# Altium PCB PCB1.PcbDoc (part 1 of 4)
Units mil, origin at the board's own origin, x right, y up, seen from the top; angles counter-clockwise.
Board outline 1130 x 1815 mil, 2 copper layers (Top Layer, Bottom Layer); 375 components, 18 nets, 1650 pads, 0 vias.
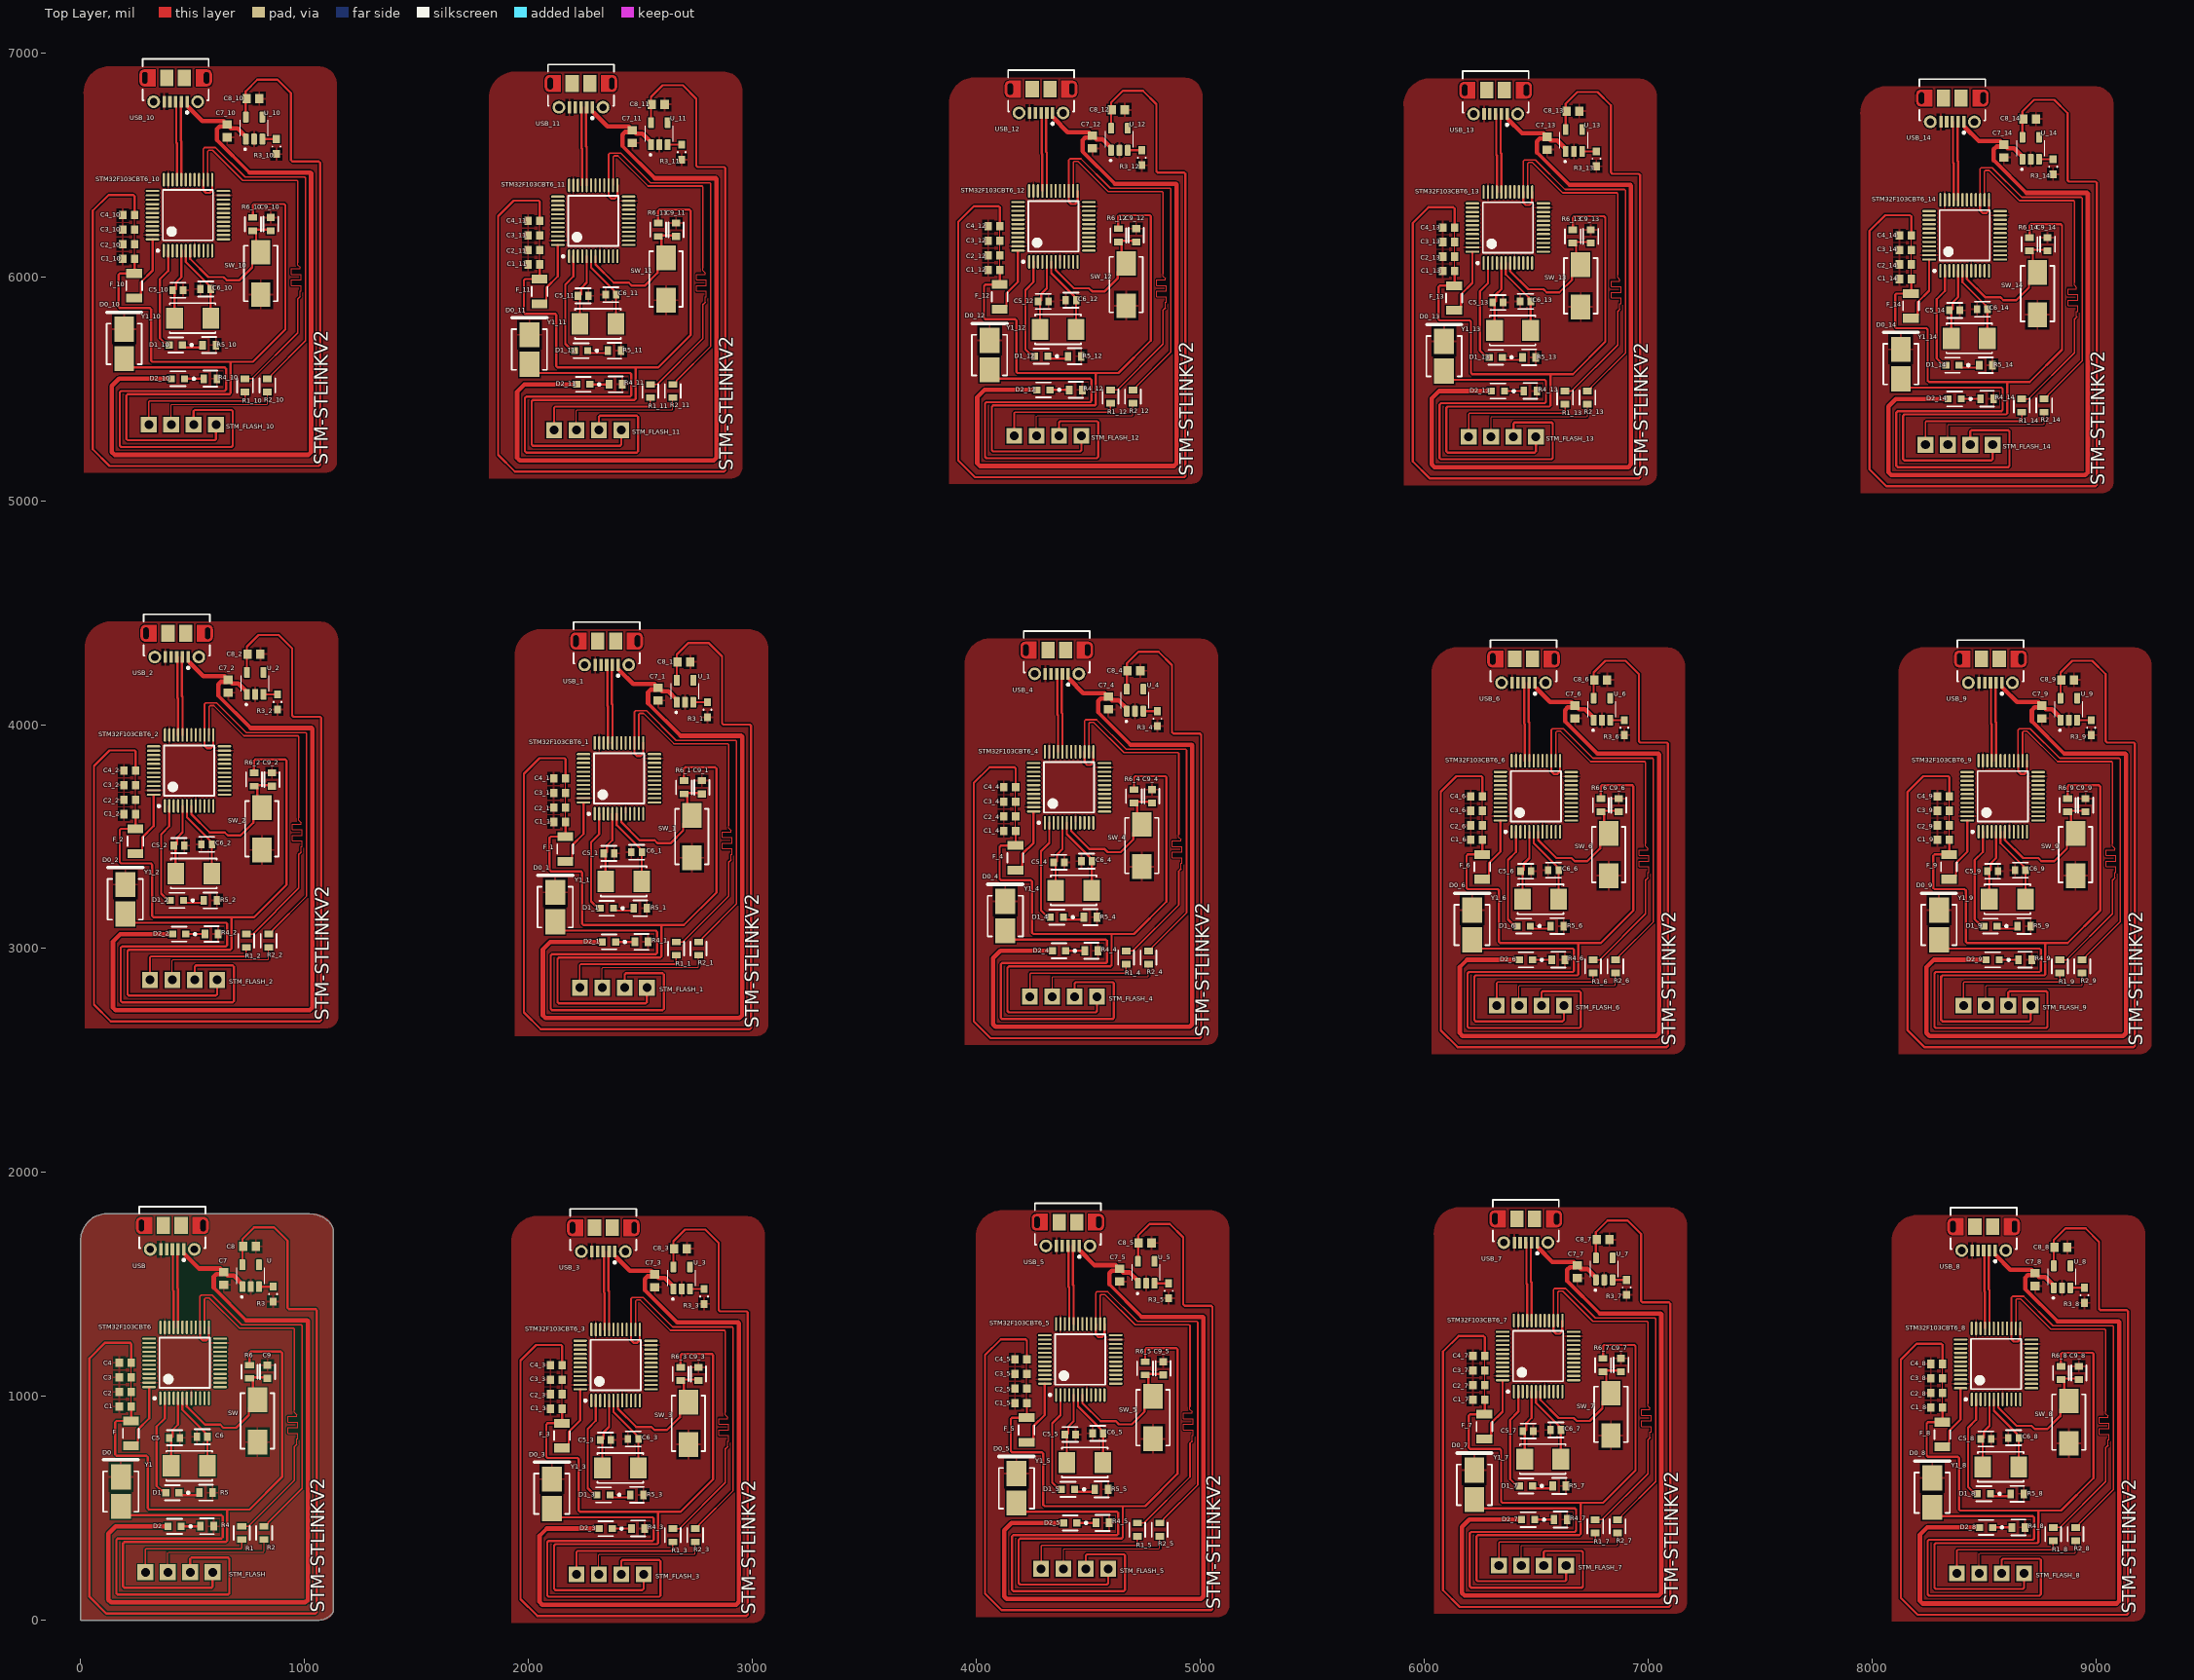
[diagram p0: Top Layer view]
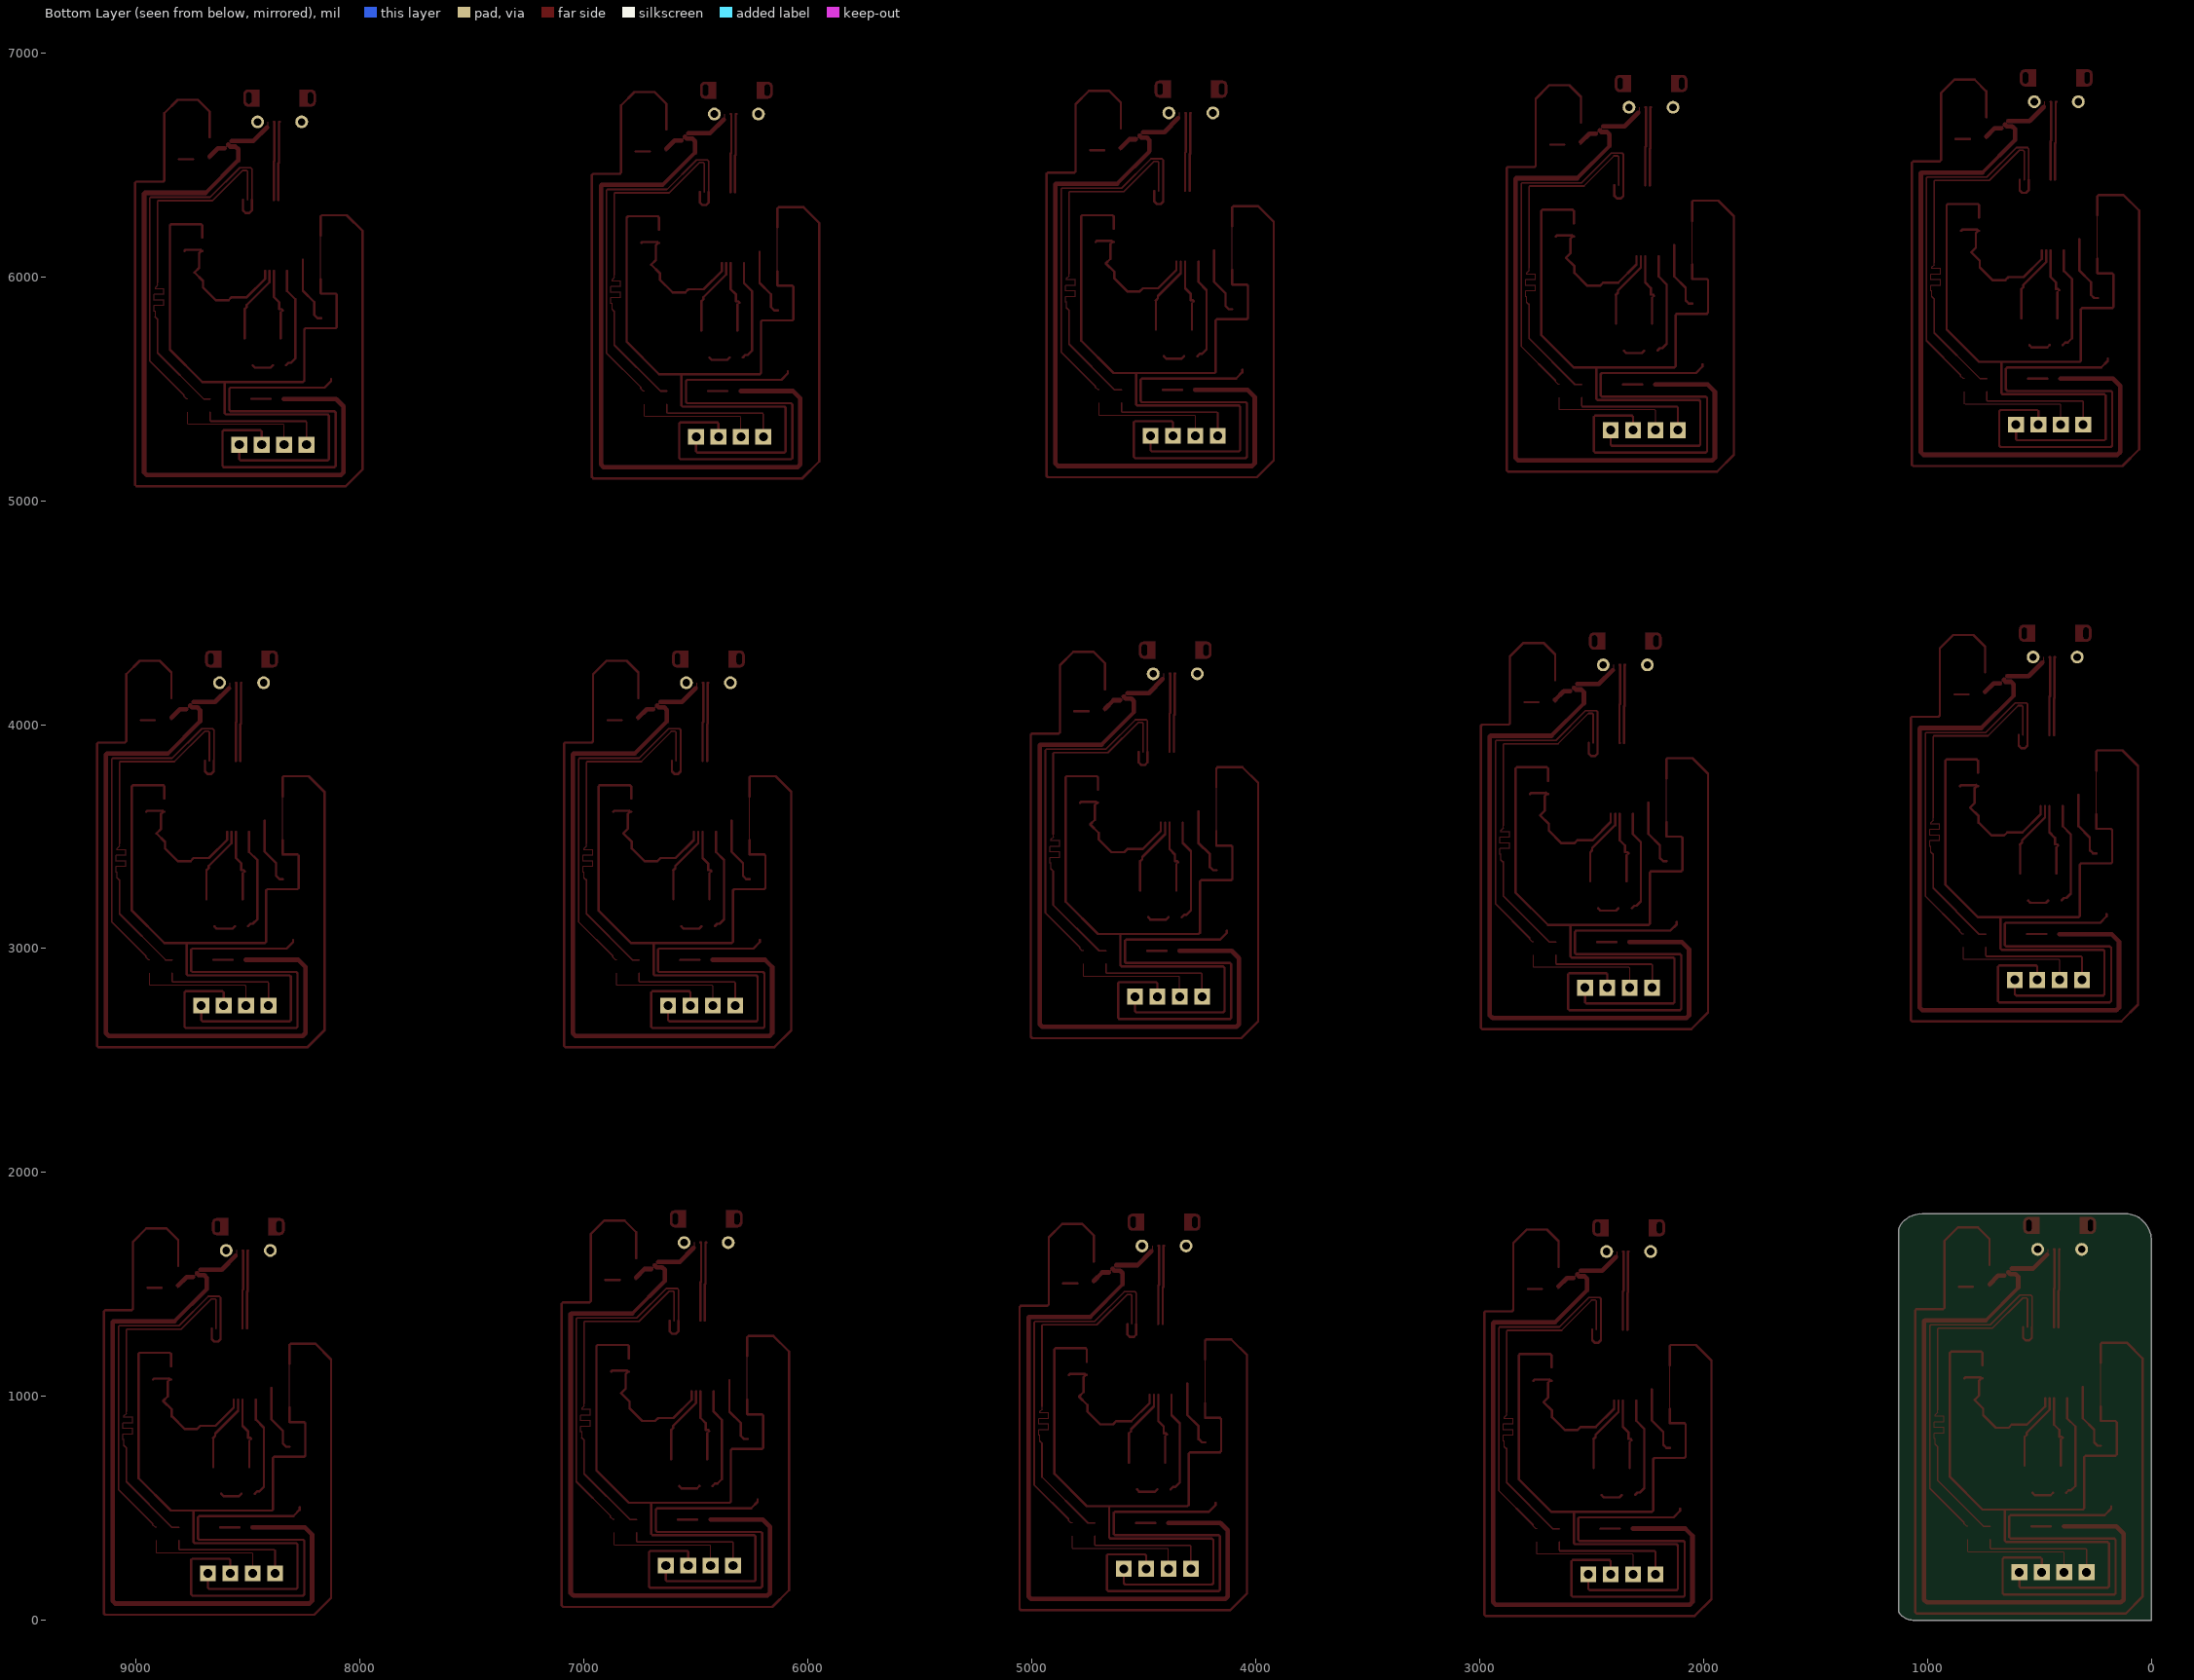
[diagram p1: Bottom Layer view, seen from below]

## Layer stack, top to bottom
Top Solder: solder mask 0.4, Solder Resist, Dk 3.5
Top Layer: signal copper 1.4
Dielectric 1: dielectric 12.6, FR-4, Dk 4.8
Bottom Layer: signal copper 1.4
Bottom Solder: solder mask 0.4, Solder Resist, Dk 3.5

## Board outline
0,0 0,1695 cw(c120.71,1695) 35.36,1780.36 40,1785 cw(c112.43,1712.57) 112.43,1815 1025.5,1815 cw(c1025.5,1695.5) 1110,1780 cw(c1061.72,1731.72) 1130,1731.72 1130,49.14 cw(c1095.86,49.14) 1120,25 cw(c1059.64,85.36) 1059.64,0

## Design rules (kind name [scope] priority, off if disabled: settings)
Clearance [All] p1: gap=5 ignorepadtopadclearanceinfootprint=FALSE
DiffPairsRouting [All] p1: maxlimit=10 minlimit=5 mostfreqgap=10 toplayer_minwidth=5 toplayer_maxwidth=15 toplayer_prefwidth=10 bottomlayer_minwidth=5 bottomlayer_maxwidth=15 bottomlayer_prefwidth=10 maxuncoupledlength=500
MinimumSolderMaskSliver [All] p1: minsoldermaskwidth=1
PolygonConnect [All] p1: connectstyle=Relief reliefconductorwidth=10 reliefentries=4 polygonreliefangle="90 Angle" airgapwidth=10
RoutingVias [All] p1: holewidth=28 width=50 viastyle="Through Hole" minholewidth=28 minwidth=50 maxholewidth=28 maxwidth=50
SilkToSilkClearance [All] p1: silktosilkclearance=1
SilkToSolderMaskClearance [IsPad] p1: minsilkscreentomaskgap=1 clearancetoexposedcopper=TRUE
SolderMaskExpansion [All] p1: expansion=4 istentingtop=FALSE
SupplyNets "Schematic Supply Nets_2" [InNet('GND')] p1: voltage=0.000
SupplyNets "Schematic Supply Nets_1" [InNet('3V3')] p2: voltage=0.000
SupplyNets "Schematic Supply Nets" [InNet('5V')] p3: voltage=0.000
Width [All] p1: maxlimit=50 minlimit=5 preferedwidth=10 minimp=50.000000 maximp=50.000000 favimp=50.000000
26 further rules are at their usual default settings.

## Classes and differential pairs
differential pair class DIFF_USB1: USB_D
component class Schematic: C1 C2 C3 C4 C5 C6 C7 C8 C9 D0 D1 D2 F R1 R2 R3 R4 R5 R6 STM32F103CBT6 STM_FLASH SW U USB Y1
differential pair USB_D: +USB_D_P -USB_D_N

## Components (designator, comment, footprint, x,y, rotation, side; value= is the part's Value field where it differs from the comment)
C1 "0.1uF" CAPC1608X90X35NL10T15 200,955 r0 top
C1_1 "0.1uF" CAPC1608X90X35NL10T15 2140,3565 r0 top (schematic designator C1)
C1_2 "0.1uF" CAPC1608X90X35NL10T15 220,3600 r0 top (schematic designator C1)
C1_3 "0.1uF" CAPC1608X90X35NL10T15 2125,945 r0 top (schematic designator C1)
C1_4 "0.1uF" CAPC1608X90X35NL10T15 4150,3525 r0 top (schematic designator C1)
C1_5 "0.1uF" CAPC1608X90X35NL10T15 4200,970 r0 top (schematic designator C1)
C1_6 "0.1uF" CAPC1608X90X35NL10T15 6235,3485 r0 top (schematic designator C1)
C1_7 "0.1uF" CAPC1608X90X35NL10T15 6245,985 r0 top (schematic designator C1)
C1_8 "0.1uF" CAPC1608X90X35NL10T15 8290,950 r0 top (schematic designator C1)
C1_9 "0.1uF" CAPC1608X90X35NL10T15 8320,3485 r0 top (schematic designator C1)
C1_10 "0.1uF" CAPC1608X90X35NL10T15 215,6080 r0 top (schematic designator C1)
C1_11 "0.1uF" CAPC1608X90X35NL10T15 2025,6055 r0 top (schematic designator C1)
C1_12 "0.1uF" CAPC1608X90X35NL10T15 4080,6030 r0 top (schematic designator C1)
C1_13 "0.1uF" CAPC1608X90X35NL10T15 6110,6025 r0 top (schematic designator C1)
C1_14 "0.1uF" CAPC1608X90X35NL10T15 8150,5990 r0 top (schematic designator C1)
C2 "0.1uF" CAPC1608X90X35NL10T15 200,1020 r0 top
C2_1 "0.1uF" CAPC1608X90X35NL10T15 2140,3630 r0 top (schematic designator C2)
C2_2 "0.1uF" CAPC1608X90X35NL10T15 220,3665 r0 top (schematic designator C2)
C2_3 "0.1uF" CAPC1608X90X35NL10T15 2125,1010 r0 top (schematic designator C2)
C2_4 "0.1uF" CAPC1608X90X35NL10T15 4150,3590 r0 top (schematic designator C2)
C2_5 "0.1uF" CAPC1608X90X35NL10T15 4200,1035 r0 top (schematic designator C2)
C2_6 "0.1uF" CAPC1608X90X35NL10T15 6235,3550 r0 top (schematic designator C2)
C2_7 "0.1uF" CAPC1608X90X35NL10T15 6245,1050 r0 top (schematic designator C2)
C2_8 "0.1uF" CAPC1608X90X35NL10T15 8290,1015 r0 top (schematic designator C2)
C2_9 "0.1uF" CAPC1608X90X35NL10T15 8320,3550 r0 top (schematic designator C2)
C2_10 "0.1uF" CAPC1608X90X35NL10T15 215,6145 r0 top (schematic designator C2)
C2_11 "0.1uF" CAPC1608X90X35NL10T15 2025,6120 r0 top (schematic designator C2)
C2_12 "0.1uF" CAPC1608X90X35NL10T15 4080,6095 r0 top (schematic designator C2)
C2_13 "0.1uF" CAPC1608X90X35NL10T15 6110,6090 r0 top (schematic designator C2)
C2_14 "0.1uF" CAPC1608X90X35NL10T15 8150,6055 r0 top (schematic designator C2)
C3 "0.1uF" CAPC1608X90X35NL10T15 200,1085 r0 top
C3_1 "0.1uF" CAPC1608X90X35NL10T15 2140,3695 r0 top (schematic designator C3)
C3_2 "0.1uF" CAPC1608X90X35NL10T15 220,3730 r0 top (schematic designator C3)
C3_3 "0.1uF" CAPC1608X90X35NL10T15 2125,1075 r0 top (schematic designator C3)
C3_4 "0.1uF" CAPC1608X90X35NL10T15 4150,3655 r0 top (schematic designator C3)
C3_5 "0.1uF" CAPC1608X90X35NL10T15 4200,1100 r0 top (schematic designator C3)
C3_6 "0.1uF" CAPC1608X90X35NL10T15 6235,3615 r0 top (schematic designator C3)
C3_7 "0.1uF" CAPC1608X90X35NL10T15 6245,1115 r0 top (schematic designator C3)
C3_8 "0.1uF" CAPC1608X90X35NL10T15 8290,1080 r0 top (schematic designator C3)
C3_9 "0.1uF" CAPC1608X90X35NL10T15 8320,3615 r0 top (schematic designator C3)
C3_10 "0.1uF" CAPC1608X90X35NL10T15 215,6210 r0 top (schematic designator C3)
C3_11 "0.1uF" CAPC1608X90X35NL10T15 2025,6185 r0 top (schematic designator C3)
C3_12 "0.1uF" CAPC1608X90X35NL10T15 4080,6160 r0 top (schematic designator C3)
C3_13 "0.1uF" CAPC1608X90X35NL10T15 6110,6155 r0 top (schematic designator C3)
C3_14 "0.1uF" CAPC1608X90X35NL10T15 8150,6120 r0 top (schematic designator C3)
C4 "0.1uF" CAPC1608X90X35NL10T15 200,1150 r0 top
C4_1 "0.1uF" CAPC1608X90X35NL10T15 2140,3760 r0 top (schematic designator C4)
C4_2 "0.1uF" CAPC1608X90X35NL10T15 220,3795 r0 top (schematic designator C4)
C4_3 "0.1uF" CAPC1608X90X35NL10T15 2125,1140 r0 top (schematic designator C4)
C4_4 "0.1uF" CAPC1608X90X35NL10T15 4150,3720 r0 top (schematic designator C4)
C4_5 "0.1uF" CAPC1608X90X35NL10T15 4200,1165 r0 top (schematic designator C4)
C4_6 "0.1uF" CAPC1608X90X35NL10T15 6235,3680 r0 top (schematic designator C4)
C4_7 "0.1uF" CAPC1608X90X35NL10T15 6245,1180 r0 top (schematic designator C4)
C4_8 "0.1uF" CAPC1608X90X35NL10T15 8290,1145 r0 top (schematic designator C4)
C4_9 "0.1uF" CAPC1608X90X35NL10T15 8320,3680 r0 top (schematic designator C4)
C4_10 "0.1uF" CAPC1608X90X35NL10T15 215,6275 r0 top (schematic designator C4)
C4_11 "0.1uF" CAPC1608X90X35NL10T15 2025,6250 r0 top (schematic designator C4)
C4_12 "0.1uF" CAPC1608X90X35NL10T15 4080,6225 r0 top (schematic designator C4)
C4_13 "0.1uF" CAPC1608X90X35NL10T15 6110,6220 r0 top (schematic designator C4)
C4_14 "0.1uF" CAPC1608X90X35NL10T15 8150,6185 r0 top (schematic designator C4)
C5 "22pF" FP-C0603C-CF-MFG 420,815 r180 top value="0.10 μF"
C5_1 "22pF" FP-C0603C-CF-MFG 2360,3425 r180 top value="0.10 μF" (schematic designator C5)
C5_2 "22pF" FP-C0603C-CF-MFG 440,3460 r180 top value="0.10 μF" (schematic designator C5)
C5_3 "22pF" FP-C0603C-CF-MFG 2345,805 r180 top value="0.10 μF" (schematic designator C5)
C5_4 "22pF" FP-C0603C-CF-MFG 4370,3385 r180 top value="0.10 μF" (schematic designator C5)
C5_5 "22pF" FP-C0603C-CF-MFG 4420,830 r180 top value="0.10 μF" (schematic designator C5)
C5_6 "22pF" FP-C0603C-CF-MFG 6455,3345 r180 top value="0.10 μF" (schematic designator C5)
C5_7 "22pF" FP-C0603C-CF-MFG 6465,845 r180 top value="0.10 μF" (schematic designator C5)
C5_8 "22pF" FP-C0603C-CF-MFG 8510,810 r180 top value="0.10 μF" (schematic designator C5)
C5_9 "22pF" FP-C0603C-CF-MFG 8540,3345 r180 top value="0.10 μF" (schematic designator C5)
C5_10 "22pF" FP-C0603C-CF-MFG 435,5940 r180 top value="0.10 μF" (schematic designator C5)
C5_11 "22pF" FP-C0603C-CF-MFG 2245,5915 r180 top value="0.10 μF" (schematic designator C5)
C5_12 "22pF" FP-C0603C-CF-MFG 4300,5890 r180 top value="0.10 μF" (schematic designator C5)
C5_13 "22pF" FP-C0603C-CF-MFG 6330,5885 r180 top value="0.10 μF" (schematic designator C5)
C5_14 "22pF" FP-C0603C-CF-MFG 8370,5850 r180 top value="0.10 μF" (schematic designator C5)
C6 "22pF" FP-C0603C-CF-MFG 543.62,820 r0 top value="0.10 μF"
C6_1 "22pF" FP-C0603C-CF-MFG 2483.62,3430 r0 top value="0.10 μF" (schematic designator C6)
C6_2 "22pF" FP-C0603C-CF-MFG 563.62,3465 r0 top value="0.10 μF" (schematic designator C6)
C6_3 "22pF" FP-C0603C-CF-MFG 2468.62,810 r0 top value="0.10 μF" (schematic designator C6)
C6_4 "22pF" FP-C0603C-CF-MFG 4493.62,3390 r0 top value="0.10 μF" (schematic designator C6)
C6_5 "22pF" FP-C0603C-CF-MFG 4543.62,835 r0 top value="0.10 μF" (schematic designator C6)
C6_6 "22pF" FP-C0603C-CF-MFG 6578.62,3350 r0 top value="0.10 μF" (schematic designator C6)
C6_7 "22pF" FP-C0603C-CF-MFG 6588.62,850 r0 top value="0.10 μF" (schematic designator C6)
C6_8 "22pF" FP-C0603C-CF-MFG 8633.62,815 r0 top value="0.10 μF" (schematic designator C6)
C6_9 "22pF" FP-C0603C-CF-MFG 8663.62,3350 r0 top value="0.10 μF" (schematic designator C6)
C6_10 "22pF" FP-C0603C-CF-MFG 558.62,5945 r0 top value="0.10 μF" (schematic designator C6)
C6_11 "22pF" FP-C0603C-CF-MFG 2368.62,5920 r0 top value="0.10 μF" (schematic designator C6)
C6_12 "22pF" FP-C0603C-CF-MFG 4423.62,5895 r0 top value="0.10 μF" (schematic designator C6)
C6_13 "22pF" FP-C0603C-CF-MFG 6453.62,5890 r0 top value="0.10 μF" (schematic designator C6)
C6_14 "22pF" FP-C0603C-CF-MFG 8493.62,5855 r0 top value="0.10 μF" (schematic designator C6)
C7 "1uF" CAPC1608X90X35ML10T15 640,1526.46 r90 top
C7_1 "1uF" CAPC1608X90X35ML10T15 2580,4136.46 r90 top (schematic designator C7)
C7_2 "1uF" CAPC1608X90X35ML10T15 660,4171.46 r90 top (schematic designator C7)
C7_3 "1uF" CAPC1608X90X35ML10T15 2565,1516.46 r90 top (schematic designator C7)
C7_4 "1uF" CAPC1608X90X35ML10T15 4590,4096.46 r90 top (schematic designator C7)
C7_5 "1uF" CAPC1608X90X35ML10T15 4640,1541.46 r90 top (schematic designator C7)
C7_6 "1uF" CAPC1608X90X35ML10T15 6675,4056.46 r90 top (schematic designator C7)
C7_7 "1uF" CAPC1608X90X35ML10T15 6685,1556.46 r90 top (schematic designator C7)
C7_8 "1uF" CAPC1608X90X35ML10T15 8730,1521.46 r90 top (schematic designator C7)